# KiCad board reform2-motherboard.kicad_pcb (continued)
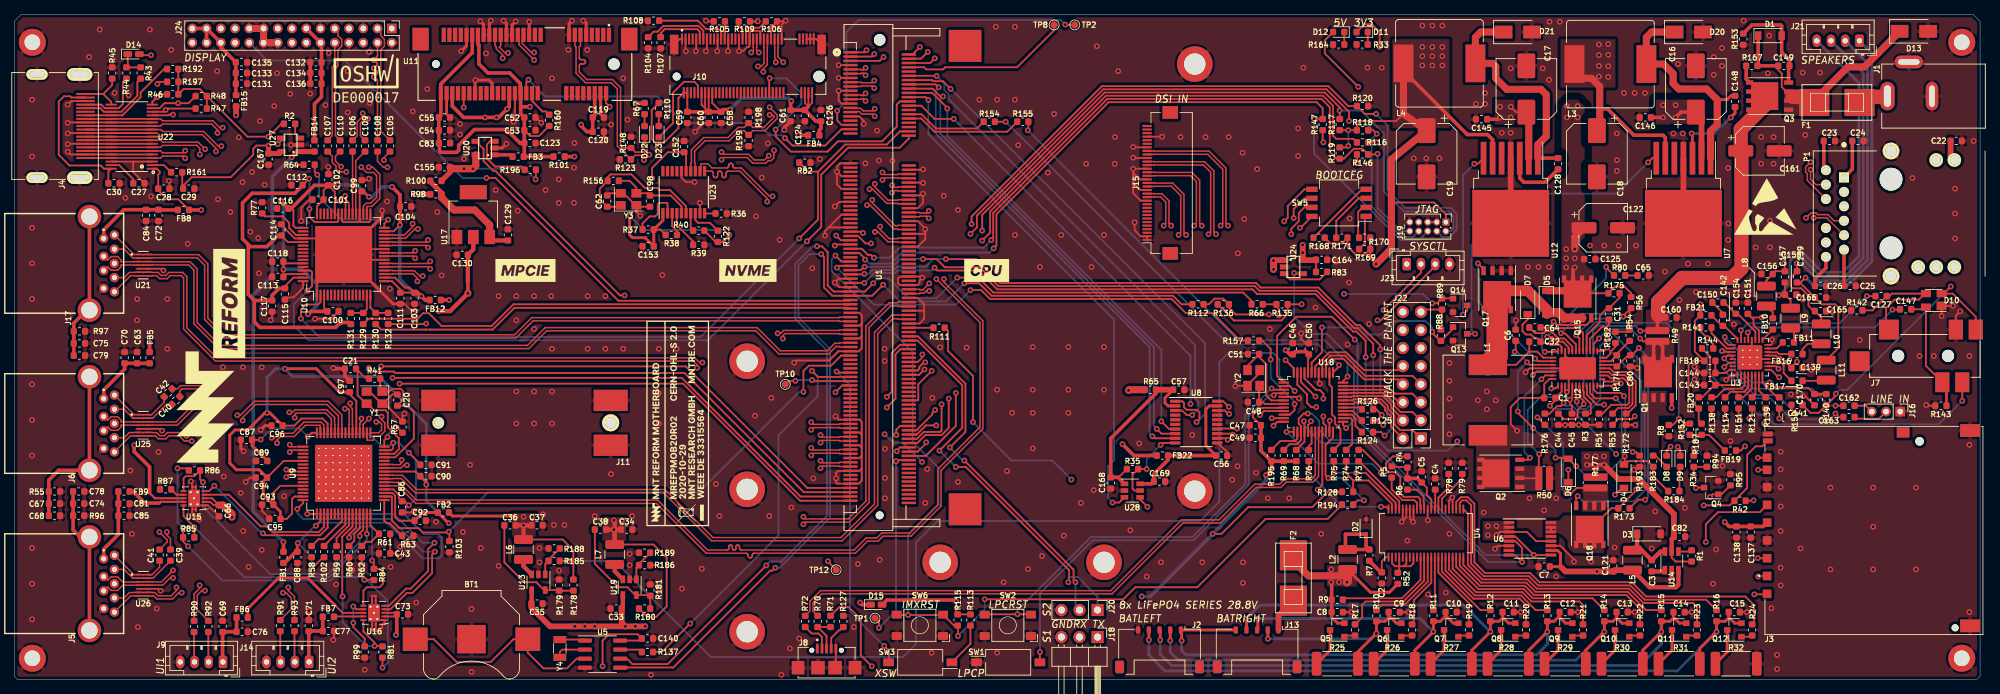
[diagram p0: board, top side]
## Routing (per net, layer and track width the routed paths; a pad name or vN(x,y) marks a point on that pad's centre or on a via; arc(x,y) is an arc through that point) (continued)
/Reform 2 Power/LPC_UFTOGG: length 61.3
  Top w0.25: v1(176.83,39.97) 177.11,40.25 U18.4 ; v1(144,3.9) SW1.2
  Bottom w0.25: v1(144,3.9) 144,12.16 151.44,19.6 165.59,19.6 173.3,27.31 173.3,37.01 176.26,39.97 v1(176.83,39.97)
/Reform 2 Power/LPC_UVBUS: length 5.3
  Top w0.25: U18.14 180.15,33.85 179.85,33.55 177.76,33.55 R195.2
/Reform 2 Power/LPC_VCC: length 317.2
  Top w0.25: C50.1 181.75,45.17 181.65,45.08 U18.44 ; 85.08,5.5 87.82,5.5 C140.2 87.51,6.4 83.5,6.4 82.6,5.5 v1(82.6,1.9) ; C47.1 173.9,36.89 173.9,37.37 174.73,38.2 175.23,38.2 175.25,38.18 175.26,38.2 177.38,38.2 177.41,38.23 178.21,38.23 U18.8 ; R71.1 115.81,10.2 117.15,10.2 118.85,8.5 118.85,3.45 v1(120.4,1.9) ; v1(168.25,20.5) 169.5,20.5 173.25,24.25 182.25,24.25 184.4,26.4 R128.2 ; R88.2 200.45,49.34 R89.2 197.83,52.01 J22.15
  Top w0.4: U6.10 216.68,18.17 217.1,17.75 217.1,15.9 C7.1
  Top w0.5: R195.1 176.5,29.5 v1(175.75,28.75) ; R195.1 179.75,30.71 ; R195.1 175.04,32.17 C47.1 ; v1(178.5,46.3) 179.09,45.71 C46.1 179.89,46.1 181.36,46.1 C50.1
  Top w0.6: L5.2 229.6,13 233.3,13 233.65,13.35 U14.3
  Top w0.8: 217.1,15.9 217.79,15.21 v1(222.21,15.21) v1(223.21,15.21) C121.2 224.69,15.4 L5.2
  Power.Cu w0.4: v1(158.3,11.7) 140.1,11.7 130.3,1.9 v1(120.4,1.9) v1(82.6,1.9)
  Power.Cu w0.5: 182.25,44.35 182.65,43.95 182.65,42.65 181.5,41.5 181.5,38.81 179.68,36.99 179.68,32.68 v1(175.75,28.75) ; 182.25,44.35 J23.1 195.5,55.7 197.5,53.7 J22.15 ; 182.25,44.35 180.3,46.3 v1(178.5,46.3)
  Power.Cu w1: v1(168.25,20.5) 172.95,20.5 182.75,10.7 217.7,10.7 v1(222.21,15.21) v1(223.21,15.21)
  Bottom w0.5: 168.3,20.5 159.5,11.7 v1(158.3,11.7) ; v1(168.25,20.5) 175.75,28 v1(175.75,28.75)
/Reform 2 Power/LPC_~{DTR}: length 151.7
  Top w0.25: v1(179.77,40.57) 179.09,41.25 U18.2 ; v1(77.78,16.7) R185.1
  Bottom w0.25: v1(179.77,40.57) 177.62,42.71 177.62,45.03 176.75,45.9 170.45,45.9 169.2,44.65 169.2,25 166.5,22.3 129.6,22.3 126.6,19.3 126.6,5 124.8,3.2 97.8,3.2 84.3,16.7 v1(77.78,16.7)
/Reform 2 Power/LPC_~{RESET}: length 63.2
  Top w0.25: U18.3 176.7,40.75 v1(176.53,40.92) ; SW2.2 136.3,9.2 v1(140.85,9.2) 142.7,9.2 SW2.2
  Bottom w0.25: v1(140.85,9.2) 140.85,9.77 151.13,20.05 165.4,20.05 172.85,27.5 172.85,37.25 v1(176.53,40.92)
/Reform 2 Power/LPC_~{TRST}: length 11.9
  Top w0.25: U18.35 192.75,41.25 193.8,40.2 196.28,40.2 J22.5
/Reform 2 Power/LPC_~{USBCON}: length 34.2
  Top w0.25: U18.22 184.15,35.68 183.79,36.03 v1(183.79,37)
  Signal.Cu w0.25: J22.13 200,46.64 200,37.2 198.06,35.26 194.4,35.26 193.78,35.88 193.78,36.49 192.32,37.95 184.8,37.95 183.84,37 v1(183.79,37)
/Reform 2 Power/LPCUD_N: length 86.7
  Top w0.2: U18.19 182.68,34.81 182.68,28.74 182.16,28.22 178.41,28.22 177.66,27.47 174.16,27.47 169.16,22.47 163.91,22.47 153.96,12.53 113.21,12.53 111.7,11.02 111.7,9.64 R72.2
/Reform 2 Power/LPCUD_P: length 86.7
  Top w0.2: U18.20 183.12,34.81 183.12,28.56 182.34,27.78 178.59,27.78 177.84,27.03 174.34,27.03 169.34,22.03 164.09,22.03 154.14,12.08 113.39,12.08 112.15,10.83 112.15,9.64 R70.2
/Reform 2 Power/VREG: length 10.3
  Top w0.25: R5.1 193.49,29.9 195.51,29.9 R4.1 R6.1 ; U4.32 198.95,25.35 198.33,25.97 198.33,26.99 C5.1
  Top w0.5: R6.1 197.03,28.29 C5.1
/Reform 2 USB/USB3_1_SSTXCN: length 9.4
  Top w0.2: C40.2 21.37,38.68 19.47,36.78 19.05,36.78 19.03,36.75 U25.13 18.21,36.75 18.19,36.78 18.01,36.78 17.99,36.75 U25.2 16.87,36.75 16.85,36.78 16.65,36.78 15.42,38 J6.8
/Reform 2 USB/USB3_1_SSTXCP: length 9.7
  Top w0.2: C42.2 21.05,39 19.28,37.22 19.05,37.22 19.03,37.25 U25.14 18.21,37.25 18.19,37.22 18.01,37.22 17.99,37.25 U25.1 16.87,37.25 16.85,37.22 16.84,37.22 J6.9
/Reform 2 USB/USB3_2_SSTXCN: length 9.4
  Top w0.2: C39.2 19.51,14.3 19.08,14.3 19.05,14.28 U26.13 18.24,14.28 18.21,14.3 18.04,14.3 18.01,14.28 U26.2 16.9,14.28 16.87,14.3 16.62,14.3 15.42,15.5 J5.8
/Reform 2 USB/USB3_2_SSTXCP: length 8.9
  Top w0.2: J5.9 16.81,14.75 16.87,14.75 16.9,14.78 U26.1 18.01,14.78 18.04,14.75 18.21,14.75 18.24,14.78 U26.14 19.05,14.78 19.08,14.75 19.32,14.75 20.41,15.84 C41.2
AUX_PWR_EN: length 178.3
  Top w0.25: U27.4 37.5,75.75 v1(37,75.25) ; v1(184.7,36.4) 184.65,36.35 U18.23
  Signal.Cu w0.25: v1(122.2,34.5) 118.6,38.1 98.26,38.1 93.91,42.45 66.65,42.45 37,72.1 v1(37,75.25) ; v1(127.45,30.6) 130.4,30.6 138.8,39 161.49,39 162.44,39.95 170.65,39.95 176.9,33.7 182,33.7 v1(184.7,36.4)
  Bottom w0.25: v1(127.45,30.6) 124.75,33.3 123.4,33.3 v1(122.2,34.5)
BACKLIGHT_EN: length 99.5
  Top w0.25: U1.105 117.3,53.25 84.82,53.25 67.57,70.5 v1(66.3,70.5)
  Bottom w0.25: v1(66.3,70.5) 62.93,70.5 46.43,87 35.5,87 J24.22
BACKLIGHT_PWM: length 126.5
  Top w0.25: v1(123.85,34.4) 123.85,35.15 124.35,35.65 U1.164
  Signal.Cu w0.25: v1(123.85,34.4) 119.6,38.65 98.35,38.65 94,43 67,43 38,72 38,81 32,87 32,90.5 J24.23
BAT1+: length 5
  Top w0.8: 177.5,7 177.5,9.01 F2.2
BAT2+: length 29.3
  Top w0.4: R25.1 188.65,3.93 191.22,6.5 v1(191.25,6.5) R10.1 192.46,8.21 192.96,8.71 C9.1 192.96,9.04 194.05,7.95 Q6.2 ; 176,7 v1(176,5.75)
  Bottom w0.4: v1(191.25,6.5) 190.5,5.75 v1(176,5.75)
BAT3+: length 39.4
  Top w0.4: R26.1 196.65,4.15 v1(199.25,6.75) R11.1 200.21,8.21 200.96,8.96 C10.1 200.96,9.04 202.05,7.95 Q7.2 ; 174.5,7 174.6,7.09 v1(174.6,8.6)
  Bottom w0.4: v1(199.25,6.75) 197.4,8.6 v1(174.6,8.6)
BAT4+: length 50.8
  Top w0.4: R27.1 204.65,4.15 v1(207.25,6.75) R12.1 208.46,8.21 208.96,8.71 C11.1 208.96,8.79 209.8,7.95 Q8.2 ; v1(173,8.6) 173,7
  Bottom w0.4: v1(173,8.6) 174.9,10.5 203.5,10.5 v1(207.25,6.75)
BAT5+: length 77.1
  Top w0.4: Q9.2 217.8,7.95 216.96,8.79 C12.1 216.96,8.96 216.21,8.21 R13.1 v1(215.25,6.75) 212.65,4.15 R28.1 ; 171.5,7 163.8,7 163.9,6.89 v1(163.9,5.5)
  Bottom w0.4: v1(163.9,5.5) 163.9,4.1 164.5,3.5 181.25,3.5 213.75,3.5 215.25,5 v1(215.25,6.75)
BAT6+: length 78
  Top w0.4: R29.1 220.65,4.15 v1(223.25,6.75) R14.1 224.46,8.21 224.96,8.71 ; Q10.2 225.73,7.95 224.96,8.71 ; 224.96,8.71 C13.1 ; v1(162.3,5.5) 162.3,7
  Bottom w0.4: v1(162.3,5.5) 162.3,3.9 163.45,2.75 219.25,2.75 v1(223.25,6.75)
BAT7+: length 90
  Top w0.4: R30.1 228.65,4.15 v1(231.25,6.75) R15.1 232.46,8.21 232.96,8.71 C14.1 232.96,8.79 233.8,7.95 Q11.2 ; v1(160.9,5.6) 160.9,6.89 160.8,7
  Bottom w0.4: v1(231.25,6.75) 231.25,5 228.25,2 162.5,2 160.9,3.6 v1(160.9,5.6)
BAT8+: length 98.9
  Top w0.4: R31.1 236.65,4.4 v1(239,6.75) R16.1 240.21,8.21 240.71,8.71 C15.1 240.71,8.79 241.55,7.95 Q12.2 ; v1(159.3,5.6) 159.3,7
  Bottom w0.4: v1(239,6.75) 233.5,1.25 161.55,1.25 159.3,3.5 v1(159.3,5.6)
BMON_CS: length 15
  Top w0.25: v1(181.7,29.07) 181.75,29.12 R76.1 ; U4.44 192.62,24.3 v1(191.9,24.3)
  Bottom w0.25: v1(191.9,24.3) 186.47,24.3 v1(181.7,29.07)
BMON_SCK: length 9.1
  Top w0.25: U4.41 194.45,25.06 188.8,30.71 R73.1
BMON_SDI: length 12.9
  Top w0.25: v1(185.3,29.07) 185.25,29.12 R75.1 ; U4.42 193.95,24.85 189.73,29.07 v1(188.4,29.07)
  Bottom w0.25: v1(185.3,29.07) v1(188.4,29.07)
BMON_SDO: length 12.7
  Top w0.25: R128.1 187.99,28.01 187.7,28.3 ; 187.7,28.3 188,28 190.16,28 193.4,24.76 193.4,24.02 U4.43 ; 187.7,28.3 187,29 R74.1
BOOTCFG_4: length 69
  Top w0.25: U1.152 126.85,39.25 126.93,39.33 126.93,41.53 v1(128.8,43.4) ; v1(180.5,63.5) 180.59,63.5 SW5.8
  Signal.Cu w0.25: v1(128.8,43.4) 130,44.6 160.41,44.6 177.61,61.8 179.57,61.8 180.5,62.73 v1(180.5,63.5)
BOOTCFG_10: length 67.8
  Top w0.25: v1(127.5,45.7) 127.5,45.3 126.85,44.65 U1.134 ; SW5.5 181.14,68.91 178.8,66.56 178.8,64.9 v1(178.3,64.4)
  Signal.Cu w0.25: v1(127.5,45.7) 127.75,45.95 159.85,45.95 v1(178.3,64.4)
BOOTCFG_12: length 67.8
  Top w0.25: SW5.6 181.14,67.64 179.63,66.12 v1(179.63,64.87) ; v1(127.9,44.6) 127.73,44.6 127.07,43.95 127.07,43.67 126.85,43.45 U1.138
  Signal.Cu w0.25: v1(127.9,44.6) 128.8,45.5 160.04,45.5 177.95,63.41 178.73,63.41 179.63,64.31 v1(179.63,64.87)
BOOTCFG_13: length 67.5
  Top w0.25: U1.140 127.05,42.85 v1(127.8,43.6) ; SW5.7 181.14,66.36 180.35,65.58 180.35,64.43 179.3,63.37 v1(179.3,62.6)
  Signal.Cu w0.25: v1(127.8,43.6) 127.93,43.6 129.38,45.05 160.22,45.05 177.77,62.6 v1(179.3,62.6)
CHG_RNG: length 90.3
  Top w0.25: v1(188.2,47.8) 185,51 180,51 177.3,48.3 177.3,42.69 U18.1 ; R95.2 239.69,26.05 Q4.1 238.45,26.05 v1(238.1,25.7)
  Signal.Cu w0.25: v1(202.6,33.5) 227.55,33.5 235.35,25.7 v1(238.1,25.7)
  Bottom w0.25: v1(202.6,33.5) 201.3,32.2 192.9,32.2 188.6,36.5 188.6,47.4 v1(188.2,47.8)
CHG_STAT1: length 17.5
  Top w0.25: U2.12 224.47,41.31 v1(224.61,41.17) ; v1(232.55,32.75) 232,32.2 D8.1
  Signal.Cu w0.25: v1(224.61,41.17) 225.01,40.77 228.23,40.77 231.63,37.37 231.63,33.67 v1(232.55,32.75)
CHG_STAT2: length 17.9
  Top w0.25: D9.1 233.9,32.37 v1(233.55,32.72) ; U2.13 223.29,41.9 225.28,41.9 v1(225.55,41.62)
  Signal.Cu w0.25: v1(233.55,32.72) 233.55,33.28 232.08,34.75 232.08,37.56 228.01,41.62 v1(225.55,41.62)
DAC_BCLK: length 143.8
  Top w0.25: R114.1 v1(240.2,36.8) ; U1.170 126.74,33.85 127.72,34.83 130.01,34.83 130.2,35.01 v1(130.2,38.7)
  Signal.Cu w0.25: v1(130.2,38.7) 130.2,41.71 131.94,43.45 169.59,43.45 169.94,43.8 175.79,43.8 175.99,43.6 179.84,43.6 191.84,55.6 229.45,55.6 235.9,49.15 235.9,48.1 237.15,46.85 237.15,36.95 238,36.1 239.5,36.1 v1(240.2,36.8)
DAC_DIN: length 147.5
  Top w0.25: v1(247.8,36.7) R150.1 ; U1.166 126.67,35.05 128.9,37.28 128.9,37.5 v1(129.3,37.9)
  Signal.Cu w0.25: v1(247.8,36.7) 247.4,37.1 245.34,37.1 242.99,34.75 237.44,34.75 234.55,37.64 234.55,48.59 228.89,54.25 192.4,54.25 180.4,42.25 175.43,42.25 175.23,42.45 170.5,42.45 170.15,42.1 135.57,42.1 131.37,37.9 v1(129.3,37.9)
DAC_DOUT: length 147.2
  Top w0.25: R121.1 244,37.1 v1(243.6,36.7) ; U1.178 127.97,31.45 132.2,35.68 v1(132.2,40.3)
  Signal.Cu w0.25: v1(243.6,36.7) 242.1,35.2 237.63,35.2 235,37.83 235,48.77 229.07,54.7 192.21,54.7 180.21,42.7 175.62,42.7 175.42,42.9 170.31,42.9 169.96,42.55 134.45,42.55 v1(132.2,40.3)
DAC_MCLK: length 142.2
  Top w0.25: v1(128.05,33.35) 128.05,33.25 126.85,32.05 U1.176 ; v1(238.3,36.9) R138.2
  Signal.Cu w0.25: v1(128.05,33.35) 128.05,40.2 131.75,43.9 169.4,43.9 169.75,44.25 175.98,44.25 176.18,44.05 179.65,44.05 191.65,56.05 229.63,56.05 236.35,49.33 236.35,48.29 238.3,46.34 v1(238.3,36.9)
DAC_RXFS: length 145.7
  Top w0.25: v1(245.7,36) 245.9,36.2 R139.1 ; U1.168 126.7,34.45 127.99,35.74 v1(129.45,35.74)
  Signal.Cu w0.25: v1(245.7,36) 244,34.3 237.25,34.3 234.1,37.45 234.1,48.4 228.7,53.8 192.58,53.8 180.58,41.8 175.24,41.8 175.04,42 170.68,42 170.33,41.65 135.93,41.65 130.01,35.74 v1(129.45,35.74)
DAC_SCL: length 150.7
  Top w0.25: v1(112.7,60.9) 113.4,60.9 114.2,60.1 114.2,55.4 115.05,54.55 U1.101 119.45,54.55 v1(120.6,55.7) ; v1(105.59,16.06) 91.73,2.2 86.8,2.2 86.03,2.97 85.08,2.97 ; v1(132.4,56.5) 135.36,56.5 137.46,54.4 172.54,54.4 173.71,53.22 R66.1
  Bottom w0.25: v1(120.6,55.7) 121.3,56.4 122.77,56.4 125.57,53.6 129.5,53.6 v1(132.4,56.5) ; v1(105.59,16.06) 106.13,16.6 107.7,16.6 114.1,23 114.1,46.26 109.65,50.71 109.65,58.42 112.13,60.9 v1(112.7,60.9)
DAC_SDA: length 140.3
  Top w0.25: 85.08,1.69 86.05,1.69 86.08,1.73 92.53,1.73 106.14,15.34 106.46,15.34 v1(106.86,15.74) ; v1(113.3,59.8) 113.7,59.4 113.7,55.1 114.85,53.95 U1.103 120.45,53.95 v1(122,55.5) ; v1(133.4,55.7) 135.47,55.7 137.22,53.95 162.69,53.95 163.89,52.75 R112.1
  Bottom w0.25: v1(113.3,59.8) 111.7,59.8 110.1,58.2 110.1,50.9 114.55,46.45 114.55,22.81 107.47,15.74 v1(106.86,15.74) ; v1(122,55.5) 124.35,53.15 130.85,53.15 v1(133.4,55.7)
DAC_TXFS: length 146.4
  Top w0.25: U1.172 126.78,33.25 127.9,34.38 130.2,34.38 131.2,35.38 v1(131.2,39.5) ; v1(242.31,36.49) 242.1,36.7 R151.1
  Signal.Cu w0.25: v1(242.31,36.49) 241.48,35.65 237.81,35.65 236.7,36.76 236.7,46.67 235.45,47.92 235.45,48.96 229.26,55.15 192.02,55.15 180.02,43.15 175.8,43.15 175.6,43.35 170.12,43.35 169.77,43 132.13,43 131.2,42.07 v1(131.2,39.5)
DSI_CLK_N: length 158
  Top w0.2: U10.25 53.08,60 53.1,59.97 56,59.97 v1(56.3,60.28) ; v1(165.68,63.8) 165.97,64.1 165.97,70.01 165.16,70.83 160.05,70.83 160.03,70.8 J15.19
  Signal.Cu w0.2: v1(165.68,63.8) 165.97,63.5 165.97,61.88 165.97,61.81 165.95,61.74 165.91,61.69 165.86,61.64 165.81,61.6 165.74,61.58 165.68,61.58 165.32,61.58 165.25,61.57 165.19,61.55 165.13,61.51 165.08,61.46 165.05,61.41 165.03,61.34 165.02,61.28 165.03,61.21 165.05,61.14 165.08,61.09 165.13,61.04 165.19,61 165.25,60.98 165.32,60.97 165.68,60.97 165.74,60.97 165.81,60.95 165.86,60.91 165.91,60.86 165.95,60.81 165.97,60.74 165.97,60.67 165.97,59.09 165.96,59.08 165.94,59.07 165.92,59.07 165.9,59.07 165.88,59.07 165.86,59.08 165.85,59.09 165.66,59.27 165.57,59.35 165.47,59.4 165.36,59.42 165.25,59.42 165.13,59.4 165.03,59.35 164.94,59.27 164.74,59.08 164.67,58.99 164.62,58.88 164.6,58.77 164.6,58.66 164.62,58.55 164.67,58.44 164.74,58.36 165.15,57.95 165.14,57.94 165.51,57.58 165.52,57.57 165.53,57.55 165.53,57.54 165.53,57.52 165.53,57.51 165.52,57.5 165.51,57.48 165.32,57.3 165.31,57.29 165.3,57.28 165.28,57.28 165.27,57.28 165.25,57.28 165.24,57.29 165.23,57.3 164.46,58.07 164.37,58.14 164.26,58.19 164.15,58.21 164.04,58.21 163.93,58.19 163.82,58.14 163.73,58.07 163.54,57.87 163.47,57.78 163.42,57.68 163.39,57.57 163.39,57.45 163.42,57.34 163.47,57.24 163.54,57.15 164.31,56.38 164.32,56.37 164.32,56.35 164.33,56.34 164.33,56.32 164.32,56.31 164.32,56.29 164.31,56.28 164.12,56.09 164.11,56.08 164.09,56.08 164.08,56.07 164.06,56.07 164.05,56.08 164.04,56.08 164.02,56.09 163.25,56.86 163.16,56.94 163.06,56.99 162.95,57.01 162.84,57.01 162.72,56.99 162.62,56.94 162.53,56.86 162.33,56.67 162.26,56.58 162.21,56.47 162.19,56.36 162.19,56.25 162.21,56.14 162.26,56.03 162.33,55.95 163.11,55.17 163.11,55.16 163.12,55.15 163.12,55.13 163.12,55.12 163.12,55.11 163.11,55.09 163.11,55.08 162.92,54.89 162.91,54.88 162.89,54.88 162.88,54.87 162.86,54.87 162.85,54.88 162.83,54.88 162.82,54.89 162.05,55.66 161.96,55.73 161.86,55.78 161.75,55.81 161.63,55.81 161.52,55.78 161.42,55.73 161.33,55.66 161.13,55.46 161.06,55.38 161.01,55.27 160.99,55.16 160.99,55.05 161.01,54.94 161.06,54.83 161.13,54.74 161.9,53.97 161.91,53.96 161.92,53.95 161.92,53.93 161.92,53.92 161.92,53.9 161.91,53.89 161.9,53.88 161.71,53.69 161.7,53.68 161.69,53.67 161.67,53.67 161.66,53.67 161.65,53.67 161.63,53.68 161.62,53.69 160.85,54.46 160.76,54.53 160.66,54.58 160.55,54.61 160.43,54.61 160.32,54.58 160.22,54.53 160.13,54.46 159.93,54.26 159.86,54.17 159.81,54.07 159.78,53.96 159.78,53.84 159.81,53.73 159.86,53.63 159.93,53.54 160.7,52.77 160.71,52.76 160.72,52.75 160.72,52.73 160.72,52.72 160.72,52.7 160.71,52.69 160.7,52.68 160.51,52.49 160.5,52.48 160.49,52.47 160.47,52.47 160.46,52.47 160.44,52.47 160.43,52.48 160.42,52.49 159.65,53.26 159.56,53.33 159.46,53.38 159.34,53.4 159.23,53.4 159.12,53.38 159.02,53.33 158.93,53.26 158.73,53.06 158.66,52.97 158.61,52.87 158.58,52.76 158.58,52.64 158.61,52.53 158.66,52.43 158.73,52.34 159.5,51.57 159.51,51.56 159.51,51.54 159.52,51.53 159.52,51.51 159.51,51.5 159.51,51.49 159.5,51.47 159.31,51.29 159.3,51.28 159.29,51.27 159.27,51.27 159.26,51.27 159.24,51.27 159.23,51.28 159.22,51.29 159.04,51.47 158.95,51.53 158.85,51.58 158.75,51.61 158.64,51.61 158.53,51.58 158.43,51.53 158.35,51.47 157.81,50.92 112.34,50.92 103.29,59.97 56.6,59.97 v1(56.3,60.28)
DSI_CLK_P: length 158.1
  Top w0.2: J15.20 160.03,71.3 160.05,71.28 165.34,71.28 166.43,70.19 166.43,64.1 v1(166.72,63.8) ; U10.24 53.08,59.5 53.1,59.53 56,59.53 v1(56.3,59.22)
  Signal.Cu w0.2: v1(166.72,63.8) 166.43,63.5 166.43,58.91 166.27,58.75 166.18,58.68 166.08,58.63 165.97,58.61 165.85,58.61 165.74,58.63 165.64,58.68 165.55,58.75 165.37,58.93 165.35,58.95 165.33,58.96 165.31,58.96 165.29,58.96 165.27,58.96 165.25,58.95 165.24,58.93 165.09,58.78 165.07,58.76 165.06,58.75 165.06,58.73 165.06,58.71 165.06,58.69 165.07,58.67 165.09,58.65 165.47,58.27 165.46,58.26 165.85,57.88 165.92,57.79 165.96,57.69 165.99,57.59 165.99,57.48 165.96,57.37 165.92,57.27 165.85,57.19 165.62,56.96 165.53,56.89 165.43,56.84 165.33,56.82 165.22,56.82 165.11,56.84 165.01,56.89 164.93,56.96 164.16,57.73 164.14,57.74 164.13,57.75 164.11,57.75 164.09,57.75 164.07,57.75 164.05,57.74 164.03,57.73 163.88,57.57 163.86,57.56 163.86,57.54 163.85,57.52 163.85,57.5 163.86,57.48 163.86,57.46 163.88,57.44 164.65,56.67 164.71,56.59 164.76,56.49 164.79,56.38 164.79,56.28 164.76,56.17 164.71,56.07 164.65,55.99 164.42,55.75 164.33,55.69 164.23,55.64 164.13,55.62 164.02,55.62 163.91,55.64 163.81,55.69 163.73,55.75 162.96,56.52 162.94,56.54 162.92,56.55 162.9,56.55 162.88,56.55 162.86,56.55 162.84,56.54 162.83,56.52 162.68,56.37 162.66,56.35 162.65,56.34 162.65,56.32 162.65,56.3 162.65,56.28 162.66,56.26 162.68,56.24 163.44,55.47 163.51,55.39 163.56,55.29 163.58,55.18 163.58,55.07 163.56,54.97 163.51,54.87 163.44,54.78 163.21,54.55 163.13,54.48 163.03,54.44 162.92,54.41 162.82,54.41 162.71,54.44 162.61,54.48 162.53,54.55 161.76,55.32 161.74,55.33 161.72,55.34 161.7,55.35 161.68,55.35 161.66,55.34 161.64,55.33 161.63,55.32 161.47,55.17 161.46,55.15 161.45,55.13 161.45,55.11 161.45,55.09 161.45,55.07 161.46,55.06 161.47,55.04 162.24,54.27 162.31,54.18 162.36,54.09 162.38,53.98 162.38,53.87 162.36,53.76 162.31,53.67 162.24,53.58 162.01,53.35 161.93,53.28 161.83,53.24 161.72,53.21 161.61,53.21 161.51,53.24 161.41,53.28 161.32,53.35 160.55,54.12 160.54,54.13 160.52,54.14 160.5,54.15 160.48,54.15 160.46,54.14 160.44,54.13 160.42,54.12 160.27,53.97 160.26,53.95 160.25,53.93 160.24,53.91 160.24,53.89 160.25,53.87 160.26,53.85 160.27,53.84 161.04,53.07 161.11,52.98 161.16,52.88 161.18,52.78 161.18,52.67 161.16,52.56 161.11,52.46 161.04,52.38 160.81,52.15 160.72,52.08 160.63,52.03 160.52,52.01 160.41,52.01 160.3,52.03 160.21,52.08 160.12,52.15 159.35,52.92 159.34,52.93 159.32,52.94 159.3,52.94 159.28,52.94 159.26,52.94 159.24,52.93 159.22,52.92 159.07,52.76 159.06,52.75 159.05,52.73 159.04,52.71 159.04,52.69 159.05,52.67 159.06,52.65 159.07,52.63 159.84,51.87 159.91,51.78 159.95,51.68 159.98,51.58 159.98,51.47 159.95,51.36 159.91,51.26 159.84,51.18 159.61,50.95 159.52,50.88 159.42,50.83 159.32,50.81 159.21,50.81 159.1,50.83 159,50.88 158.92,50.95 158.74,51.13 158.73,51.14 158.71,51.14 158.7,51.15 158.68,51.15 158.67,51.14 158.66,51.14 158.64,51.13 157.99,50.47 112.16,50.47 103.11,59.53 56.6,59.53 v1(56.3,59.22)
DSI_D0_N: length 158
  Top w0.2: v1(169.38,63.8) 169.68,64.1 169.68,71.71 167.56,73.83 160.05,73.83 160.03,73.8 J15.25 ; v1(57.34,56.72) 56.92,56.72 56.17,57.47 53.1,57.47 53.08,57.5 U10.20
  Signal.Cu w0.2: v1(169.38,63.8) 169.68,63.5 169.68,58.09 159.51,47.92 110.99,47.92 103.19,55.72 98.88,55.72 98.82,55.73 98.77,55.75 98.72,55.78 98.68,55.82 98.65,55.87 98.63,55.92 98.62,55.97 98.62,56.29 98.61,56.44 98.56,56.58 98.48,56.7 98.38,56.8 98.25,56.88 98.11,56.93 97.97,56.95 97.88,56.95 97.74,56.93 97.6,56.88 97.47,56.8 97.37,56.7 97.29,56.58 97.24,56.44 97.22,56.29 97.22,55.97 97.22,55.92 97.2,55.87 97.17,55.82 97.13,55.78 97.08,55.75 97.03,55.73 96.97,55.72 96.92,55.73 96.87,55.75 96.82,55.78 96.78,55.82 96.75,55.87 96.73,55.92 96.72,55.97 96.72,56.29 96.71,56.44 96.66,56.58 96.58,56.7 96.48,56.8 96.35,56.88 96.21,56.93 96.07,56.95 95.98,56.95 95.84,56.93 95.7,56.88 95.57,56.8 95.47,56.7 95.39,56.58 95.34,56.44 95.32,56.29 95.32,55.97 95.32,55.92 95.3,55.87 95.27,55.82 95.23,55.78 95.18,55.75 95.13,55.73 95.07,55.72 95.02,55.73 94.97,55.75 94.92,55.78 94.88,55.82 94.85,55.87 94.83,55.92 94.82,55.97 94.82,56.29 94.81,56.44 94.76,56.58 94.68,56.7 94.58,56.8 94.45,56.88 94.31,56.93 94.17,56.95 94.08,56.95 93.94,56.93 93.8,56.88 93.67,56.8 93.57,56.7 93.49,56.58 93.44,56.44 93.43,56.29 93.43,55.97 93.42,55.92 93.4,55.87 93.37,55.82 93.33,55.78 93.28,55.75 93.23,55.73 93.18,55.72 87.38,55.72 87.31,55.73 87.24,55.75 87.19,55.79 87.14,55.84 87.1,55.89 87.08,55.96 87.08,56.03 87.08,56.06 87.07,56.12 87.05,56.19 87.01,56.24 86.96,56.29 86.91,56.33 86.84,56.35 86.78,56.36 86.71,56.35 86.64,56.33 86.59,56.29 86.54,56.24 86.5,56.19 86.48,56.12 86.47,56.06 86.47,56.03 86.47,55.96 86.45,55.89 86.41,55.84 86.36,55.79 86.31,55.75 86.24,55.73 86.17,55.72 86.11,55.73 86.04,55.75 85.99,55.79 85.94,55.84 85.9,55.89 85.88,55.96 85.88,56.03 85.88,56.06 85.87,56.12 85.85,56.19 85.81,56.24 85.76,56.29 85.71,56.33 85.64,56.35 85.58,56.36 85.51,56.35 85.44,56.33 85.39,56.29 85.34,56.24 85.3,56.19 85.28,56.12 85.28,56.06 85.28,56.03 85.27,55.96 85.25,55.89 85.21,55.84 85.16,55.79 85.11,55.75 85.04,55.73 84.97,55.72 57.92,55.72 57.34,56.3 v1(57.34,56.72)
DSI_D0_P: length 158
  Top w0.2: J15.26 160.03,74.3 160.05,74.28 167.74,74.28 170.12,71.89 170.12,64.1 v1(170.43,63.8) ; v1(56.6,55.98) 56.6,56.4 55.98,57.03 53.1,57.03 53.08,57 U10.19
  Signal.Cu w0.2: v1(56.6,55.98) 57.03,55.98 57.73,55.28 93.22,55.28 93.36,55.29 93.5,55.34 93.63,55.42 93.73,55.52 93.81,55.65 93.86,55.79 93.88,55.93 93.88,56.25 93.88,56.3 93.9,56.36 93.93,56.4 93.97,56.44 94.02,56.47 94.07,56.49 94.12,56.5 94.18,56.49 94.23,56.47 94.28,56.44 94.32,56.4 94.35,56.36 94.37,56.3 94.38,56.25 94.38,55.93 94.39,55.79 94.44,55.65 94.52,55.52 94.62,55.42 94.75,55.34 94.89,55.29 95.03,55.28 95.12,55.28 95.26,55.29 95.4,55.34 95.53,55.42 95.63,55.52 95.71,55.65 95.76,55.79 95.78,55.93 95.78,56.25 95.78,56.3 95.8,56.36 95.83,56.4 95.87,56.44 95.92,56.47 95.97,56.49 96.03,56.5 96.08,56.49 96.13,56.47 96.18,56.44 96.22,56.4 96.25,56.36 96.27,56.3 96.28,56.25 96.28,55.93 96.29,55.79 96.34,55.65 96.42,55.52 96.52,55.42 96.65,55.34 96.79,55.29 96.93,55.28 97.02,55.28 97.16,55.29 97.3,55.34 97.43,55.42 97.53,55.52 97.61,55.65 97.66,55.79 97.68,55.93 97.68,56.25 97.68,56.3 97.7,56.36 97.73,56.4 97.77,56.44 97.82,56.47 97.87,56.49 97.93,56.5 97.98,56.49 98.03,56.47 98.08,56.44 98.12,56.4 98.15,56.36 98.17,56.3 98.18,56.25 98.18,55.93 98.19,55.79 98.24,55.65 98.32,55.52 98.42,55.42 98.55,55.34 98.69,55.29 98.83,55.28 103.01,55.28 110.81,47.47 159.69,47.47 170.12,57.91 170.12,63.5 v1(170.43,63.8)
DSI_D1_N: length 158
  Top w0.2: v1(167.68,62.6) 167.97,62.9 167.97,71.31 166.96,72.33 160.05,72.33 160.03,72.3 J15.22 ; v1(58.4,58.78) 58.1,58.47 53.1,58.47 53.08,58.5 U10.22
  Signal.Cu w0.2: v1(167.68,62.6) 167.97,62.3 167.97,58.69 158.81,49.53 111.74,49.53 102.79,58.47 78.62,58.47 78.56,58.48 78.49,58.5 78.44,58.54 78.39,58.59 78.35,58.64 78.33,58.71 78.33,58.78 78.33,58.81 78.32,58.88 78.3,58.94 78.26,59 78.21,59.05 78.16,59.08 78.09,59.11 78.03,59.11 77.96,59.11 77.89,59.08 77.84,59.05 77.79,59 77.75,58.94 77.73,58.88 77.72,58.81 77.72,58.78 77.72,58.71 77.7,58.64 77.66,58.59 77.61,58.54 77.56,58.5 77.49,58.48 77.42,58.47 77.36,58.48 77.29,58.5 77.24,58.54 77.19,58.59 77.15,58.64 77.13,58.71 77.12,58.78 77.12,58.81 77.12,58.88 77.1,58.94 77.06,59 77.01,59.05 76.96,59.08 76.89,59.11 76.83,59.11 76.76,59.11 76.69,59.08 76.64,59.05 76.59,59 76.55,58.94 76.53,58.88 76.53,58.81 76.53,58.78 76.52,58.71 76.5,58.64 76.46,58.59 76.41,58.54 76.36,58.5 76.29,58.48 76.22,58.47 76.16,58.48 76.09,58.5 76.04,58.54 75.99,58.59 75.95,58.64 75.93,58.71 75.92,58.78 75.92,58.81 75.92,58.88 75.9,58.94 75.86,59 75.81,59.05 75.76,59.08 75.69,59.11 75.62,59.11 75.56,59.11 75.49,59.08 75.44,59.05 75.39,59 75.35,58.94 75.33,58.88 75.33,58.81 75.33,58.78 75.32,58.71 75.3,58.64 75.26,58.59 75.21,58.54 75.16,58.5 75.09,58.48 75.03,58.47 74.09,58.47 73.98,58.46 73.87,58.42 73.77,58.36 73.69,58.28 73.63,58.18 73.59,58.07 73.58,57.96 73.58,57.7 73.57,57.68 73.57,57.66 73.55,57.64 73.54,57.62 73.52,57.61 73.5,57.6 73.47,57.6 73.28,57.6 73.25,57.6 73.23,57.61 73.21,57.62 73.2,57.64 73.18,57.66 73.18,57.68 73.17,57.7 73.17,57.96 73.16,58.07 73.12,58.18 73.06,58.28 72.98,58.36 72.88,58.42 72.77,58.46 72.66,58.47 72.49,58.47 72.38,58.46 72.27,58.42 72.17,58.36 72.09,58.28 72.03,58.18 71.99,58.07 71.97,57.96 71.97,57.7 71.97,57.68 71.97,57.66 71.95,57.64 71.94,57.62 71.92,57.61 71.9,57.6 71.88,57.6 71.67,57.6 71.65,57.6 71.63,57.61 71.61,57.62 71.6,57.64 71.58,57.66 71.58,57.68 71.58,57.7 71.58,57.96 71.56,58.07 71.52,58.18 71.46,58.28 71.38,58.36 71.28,58.42 71.17,58.46 71.06,58.47 70.89,58.47 70.78,58.46 70.67,58.42 70.57,58.36 70.49,58.28 70.43,58.18 70.39,58.07 70.38,57.96 70.38,57.7 70.37,57.68 70.37,57.66 70.35,57.64 70.34,57.62 70.32,57.61 70.3,57.6 70.28,57.6 70.08,57.6 70.05,57.6 70.03,57.61 70.01,57.62 70,57.64 69.98,57.66 69.98,57.68 69.97,57.7 69.97,57.96 69.96,58.07 69.92,58.18 69.86,58.28 69.78,58.36 69.68,58.42 69.57,58.46 69.46,58.47 69.29,58.47 69.18,58.46 69.07,58.42 68.97,58.36 68.89,58.28 68.83,58.18 68.79,58.07 68.78,57.96 68.78,57.7 68.77,57.68 68.77,57.66 68.75,57.64 68.74,57.62 68.72,57.61 68.7,57.6 68.67,57.6 68.47,57.6 68.45,57.6 68.43,57.61 68.41,57.62 68.4,57.64 68.38,57.66 68.38,57.68 68.38,57.7 68.38,57.96 68.36,58.07 68.32,58.18 68.26,58.28 68.18,58.36 68.08,58.42 67.97,58.46 67.86,58.47 67.69,58.47 67.58,58.46 67.47,58.42 67.37,58.36 67.29,58.28 67.23,58.18 67.19,58.07 67.17,57.96 67.17,57.7 67.17,57.68 67.17,57.66 67.15,57.64 67.14,57.62 67.12,57.61 67.1,57.6 67.08,57.6 66.88,57.6 66.85,57.6 66.83,57.61 66.81,57.62 66.8,57.64 66.78,57.66 66.78,57.68 66.78,57.7 66.78,57.96 66.76,58.07 66.72,58.18 66.66,58.28 66.58,58.36 66.48,58.42 66.37,58.46 66.26,58.47 66.09,58.47 65.98,58.46 65.87,58.42 65.77,58.36 65.69,58.28 65.63,58.18 65.59,58.07 65.58,57.96 65.58,57.7 65.57,57.68 65.57,57.66 65.55,57.64 65.54,57.62 65.52,57.61 65.5,57.6 65.47,57.6 65.28,57.6 65.25,57.6 65.23,57.61 65.21,57.62 65.2,57.64 65.18,57.66 65.18,57.68 65.17,57.7 65.17,57.96 65.16,58.07 65.12,58.18 65.06,58.28 64.98,58.36 64.88,58.42 64.77,58.46 64.66,58.47 64.49,58.47 64.38,58.46 64.27,58.42 64.17,58.36 64.09,58.28 64.03,58.18 63.99,58.07 63.97,57.96 63.97,57.7 63.97,57.68 63.97,57.66 63.95,57.64 63.94,57.62 63.92,57.61 63.9,57.6 63.88,57.6 63.67,57.6 63.65,57.6 63.63,57.61 63.61,57.62 63.6,57.64 63.58,57.66 63.58,57.68 63.58,57.7 63.58,57.96 63.56,58.07 63.52,58.18 63.46,58.28 63.38,58.36 63.28,58.42 63.17,58.46 63.06,58.47 62.89,58.47 62.78,58.46 62.67,58.42 62.57,58.36 62.49,58.28 62.43,58.18 62.39,58.07 62.38,57.96 62.38,57.7 62.37,57.68 62.37,57.66 62.35,57.64 62.34,57.62 62.32,57.61 62.3,57.6 62.28,57.6 62.08,57.6 62.05,57.6 62.03,57.61 62.01,57.62 62,57.64 61.98,57.66 61.98,57.68 61.97,57.7 61.97,57.96 61.96,58.07 61.92,58.18 61.86,58.28 61.78,58.36 61.68,58.42 61.57,58.46 61.46,58.47 58.7,58.47 v1(58.4,58.78)